# Altium PCB Transmissor Ignitor.PcbDoc
Units mm, origin at the board's own origin, x right, y up, seen from the top; angles counter-clockwise.
Board outline 96.76 x 48.89 mm, 2 copper layers (Top Layer, Bottom Layer); 23 components, 18 nets, 89 pads, 52 vias.
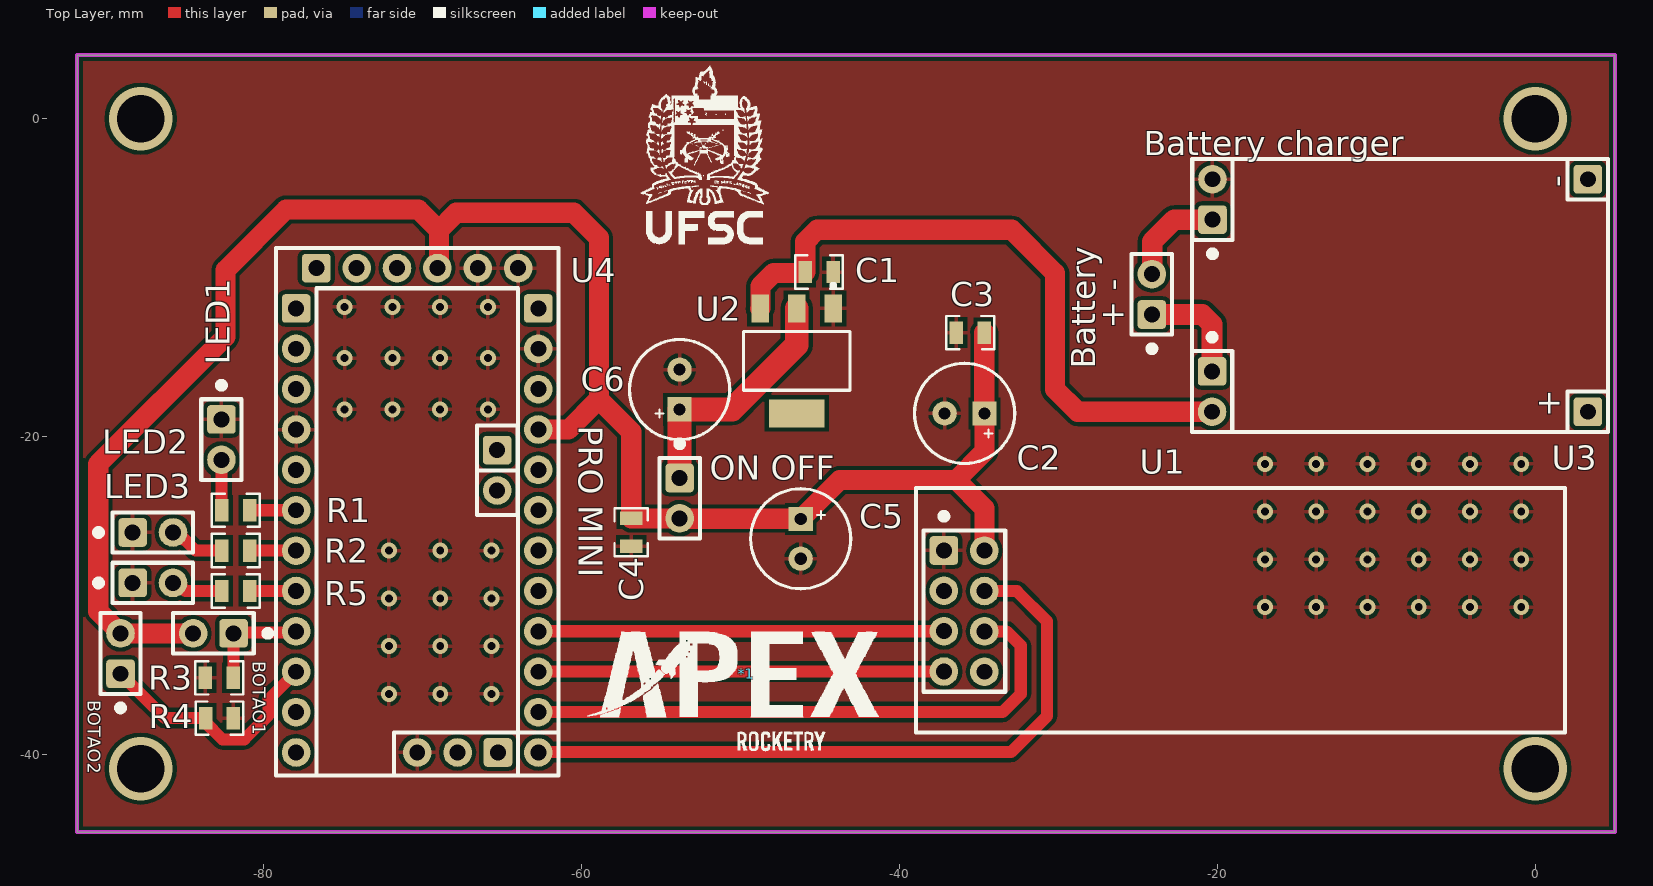
[diagram p0: Top Layer view]
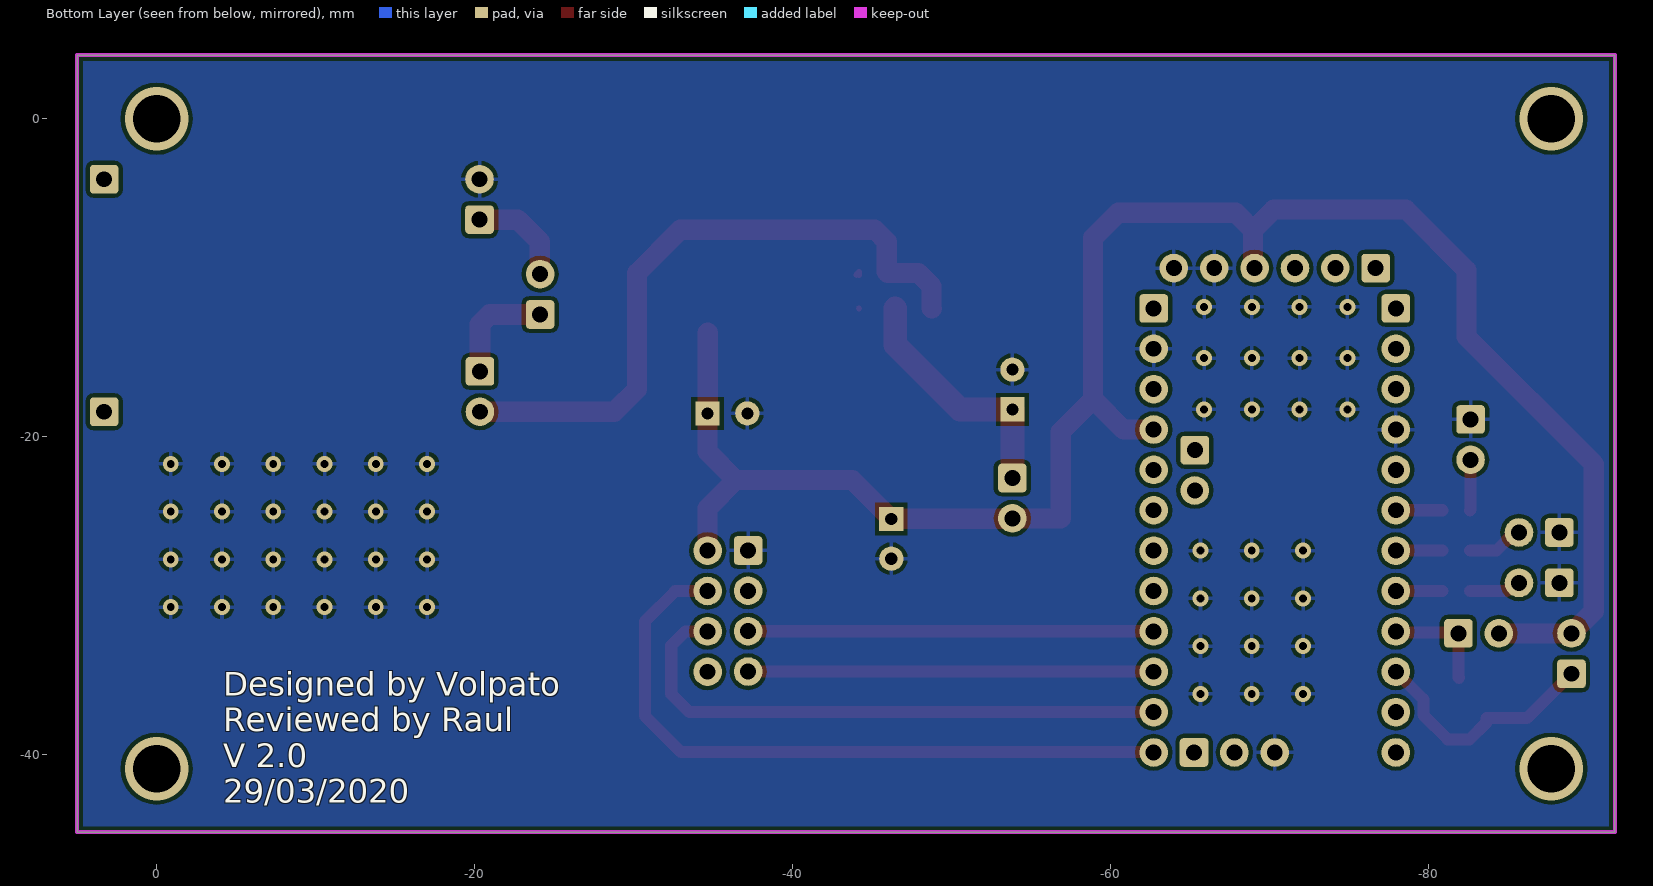
[diagram p1: Bottom Layer view, seen from below]

## Layer stack, top to bottom
Top Solder: solder mask 0.0102, Solder Resist, Dk 3.5
Top Layer: signal copper 0.0356
Dielectric 1: dielectric 0.32, FR-4, Dk 4.8
Bottom Layer: signal copper 0.0356
Bottom Solder: solder mask 0.0102, Solder Resist, Dk 3.5

## Board outline
-91.757,-44.894 5,-44.894 5,4 -91.757,4

## Design rules (kind name [scope] priority, off if disabled: settings)
Clearance [All] p1: gap=0.254 ignorepadtopadclearanceinfootprint=FALSE
PolygonConnect [All] p1: connectstyle=Relief reliefconductorwidth=0.254 reliefentries=4 polygonreliefangle="90 Angle" airgapwidth=0.254
RoutingVias [All] p1: holewidth=0.711 width=1.27 viastyle="Through Hole" minholewidth=0.711 minwidth=1.27 maxholewidth=0.711 maxwidth=1.27
SolderMaskExpansion [All] p1: expansion=0.102 istentingtop=FALSE
Width [All] p1: maxlimit=2.54 minlimit=0.254 preferedwidth=0.762
30 further rules are at their usual default settings.

## Components (designator, comment, footprint, x,y, rotation, side; value= is the part's Value field where it differs from the comment)
*1 "LOGO APEX" "Logo Apex" -49.657,-34.925 r0 top
Battery "HEADER_SOCKET_2" "Pin Header 1x2 TH Pitch 2.54mm" -24.13,-12.319 r90 top (schematic designator Bateria)
BOTAO1 "HEADER_SOCKET_2" "Pin Header 1x2 TH Pitch 2.54mm" -81.915,-32.385 r180 top
BOTAO2 "HEADER_SOCKET_2" "Pin Header 1x2 TH Pitch 2.54mm" -89.027,-34.925 r90 top
C1 "Cap_ceramic" CAP0805R -45.071,-9.652 r180 top value=1nF
C2 "CAP_ELEC" CAPPR250-63X11 -34.671,-18.542 r180 top
C3 "Cap_ceramic" CAP0805R -35.56,-13.462 r0 top value=1nF
C4 "Cap_ceramic" CAP0805R -56.896,-26.021 r90 top value=1nF
C5 "CAP_ELEC" CAPPR250-63X11 -46.228,-25.186 r270 top
C6 "CAP_ELEC" CAPPR250-63X11 -53.848,-18.288 r90 top
LED1 "HEADER_SOCKET_2" "Pin Header 1x2 TH Pitch 2.54mm" -82.677,-18.923 r270 top
LED2 "HEADER_SOCKET_2" "Pin Header 1x2 TH Pitch 2.54mm" -88.265,-26.035 r0 top
LED3 "HEADER_SOCKET_2" "Pin Header 1x2 TH Pitch 2.54mm" -88.265,-29.21 r0 top
"ON OFF" "HEADER_SOCKET_2" "Pin Header 1x2 TH Pitch 2.54mm" -53.848,-22.606 r270 top
R1 "Resistor" RES0805R -81.774,-24.638 r0 top value=1k
R2 "Resistor" RES0805R -81.774,-27.178 r0 top value=1k
R3 "Resistor" RES0805R -82.818,-35.179 r0 top value=1k
R4 "Resistor" RES0805R -82.804,-37.719 r180 top value=1k
R5 "Resistor" RES0805R -81.774,-29.718 r0 top value=1k
U1 "NRF24L01+PA/LNA" NRF24L01 -37.218,-27.166 r270 top
U2 "AMS1117" SOT-223-2 -46.482,-15.24 r180 top
U3 "Battery charger" "Battery charger" 4.572,-2.54 r180 top
U4 "PRO MINI" "Pro mini" -62.738,-39.878 r270 top

## Footprints (in the part's own frame and the unit in brackets; to place one, negate y for a bottom-side part, rotate by r counter-clockwise, add the part's x,y. Pads: shape width x height; smd on the part's side, far side on the other; paste and mask are expansions set on the pad)
"Battery charger" [mm]
  rrect25% 1.8x1.8 hole 1: "BAT +"(24.917,13.36) "BAT -"(24.892,3.81) "IN +"(1.27,15.9) "IN -"(1.27,1.27)
  round 1.8 hole 1: "OUT +"(24.917,15.9) "OUT -"(24.892,1.27)
  silkscreen extent 0,0 26.19,17.17, body extent -0.28,0 26.21,17.23, height 9.5
CAP0805R [mm] "capacitor 0805 reflow soldering"
  rect 0.85x1.4 smd: 1(-0.875,0) 2(0.875,0)
  silkscreen extent -1.5,-1.05 1.5,1.05, body extent -1,-0.63 1,0.63, height 0.78
CAPPR250-63X11 [mil]
  rect 60x60 hole 30: 1(0,0)
  round 60 hole 30: 2(98.43,0)
  silkscreen extent -75,-124 173,124, body extent -76,-125 174,125, height 454
"Logo Apex" [mm]
  silkscreen extent -10.01,-4.89 8.33,2.63
NRF24L01 [mm]
  rrect25% 1.8x1.8 hole 1: 1(0,0)
  round 1.8 hole 1: 2(0.012,2.547) 3(2.54,0) 4(2.552,2.547) 5(5.08,0) 6(5.092,2.547) 7(7.62,0) 8(7.632,2.547)
  silkscreen extent -3.94,-1.75 11.46,39.09, body extent -4.02,-1.78 11.48,149.62, height 14.78
"Pin Header 1x2 TH Pitch 2.54mm" [mm] "PinHeader 1x2 TH Pitch 2.54mm"
  rrect25% 1.8x1.8 hole 1: 1(0,0)
  round 1.8 hole 1: 2(2.54,0)
  silkscreen extent -2.3,-1.27 3.81,1.27, body extent -1.27,-1.27 3.81,1.27, height 9.5
"Pro mini" [mm]
  round 1.8 hole 1: 2(-17.78,-15.24) 3(-15.24,-15.24) 4(-12.7,-15.24) 5(-10.16,-15.24) 6(-7.62,-15.24) 7(-5.08,-15.24) 8(-2.54,-15.24) 9(0,-15.24) 10(0,0) 11(-2.54,0) 12(-5.08,0) 13(-7.62,0) A0(-10.16,0) A1(-12.7,0) A2(-15.24,0) A3(-17.78,0) A6(0,-5.08) GND(-30.48,-3.81) GND(-30.48,-1.27) GND(-25.4,0) GND(-20.32,-15.24) GND(0,-7.62) RST(-22.86,0) RST(-22.86,-15.24) RX(-30.48,-8.89) RX(-25.4,-15.24) SDA(-16.485,-2.591) TX(-30.48,-11.43) VCC(-30.48,-6.35) VCC(-20.32,0)
  rrect25% 1.8x1.8 hole 1: A7(0,-2.54) DTR(-30.48,-13.97) RAW(-27.94,0) SCL(-19.025,-2.591) TX(-27.94,-15.24)
  silkscreen extent -31.75,-16.51 1.45,1.27, body extent -32.54,-16.69 1.46,1.81, height 13.12
RES0805R [mm] "resistor 0805 reflow soldering"
  rect 0.85x1.4 smd: 1(-0.875,0) 2(0.875,0)
  silkscreen extent -1.5,-1.05 1.5,1.05, body extent -1,-0.62 1,0.63, height 0.5
SOT-223-2 [mm] "SOT-223/SC-73; 4 Leads; Body 6.7 x 7.3 mm, inc. leads (LxW max)"
  rect 1.1x1.75 smd: 1(-2.3,-3.3) 2(0,-3.3) 3(2.3,-3.3)
  rect 3.5x1.75 smd: 4(0,3.3)
  silkscreen extent -3.35,-4.85 3.35,1.85, body extent -3.35,-3.7 3.35,3.5, height 1.85

## Part data
Battery BOTAO1 BOTAO2 LED1 LED2 LED3 "ON OFF": "Socket to header connector with 2 pins"
C1 C2 C3 C4 C5 C6: "Capacitor", Publisher="Altium Limited"
  C1 C3 C4: LatestRevisionDate=17-Jul-2002, LatestRevisionNote="Re-released for DXP Platform.", PackageDescription="Radial Cap, Thru-Hole; 2 Leads; 0.3 in Pin Spacing", PackageReference=RAD-0.3, Published=8-Jun-2000
  C2 C5 C6: PackageDescription="Capacitor; 2 Leads", PackageReference=CAPR5-4X5, Published=23-Sep-2002
R1 R2 R3 R4 R5: LatestRevisionDate=17-Jul-2002, LatestRevisionNote="Re-released for DXP Platform.", PackageDescription="Axial Device, Thru-Hole; 2 Leads; 0.3 in Pin Spacing", PackageReference=AXIAL-0.3, Published=8-Jun-2000, Publisher="Altium Limited"

## Via types
v1: diameter 1, hole 0.5, Top Layer to Bottom Layer, 48 vias
v2: diameter 4, hole 3, Top Layer to Bottom Layer, 4 vias

## Nets (pads, with @x,y where several pads share a name; then routed paths per layer and width w, separated by ;. In a path a pad name is that pad's centre, name@x,y a point inside that pad or via, vN(x,y) a via of type N, cw(c..) or ccw(c..) an arc to the next point about the centre after c; other vN are vias at no path point)
3V3: "ON OFF.2" BOTAO1.2 BOTAO2.2 C2.1 C3.2 C4.2 C5.1 U1.2 U4.VCC | length 120.2
  Top Layer w1.27: BOTAO1.2 BOTAO2.2 -90.424,-30.988 -90.424,-21.722 -82.423,-13.721 -82.423,-9.525 -78.613,-5.715 -70.282,-5.715 -68.987,-7.011 ; U4.VCC@-69.088,-9.398 -68.987,-9.297 -68.987,-7.011 ; U4.VCC@-62.738,-19.558 -60.833,-19.558 -58.928,-17.653 ; C3.2 -34.678,-13.469 -34.678,-18.535 C2.1 -34.671,-20.955 -36.449,-22.733 ; U1.2 -34.671,-24.511 -36.449,-22.733 ; -68.987,-7.011 -67.899,-5.923 -60.498,-5.923 -58.928,-7.493 -58.928,-17.653 ; -58.928,-17.653 -56.896,-19.685 C4.2 -53.848,-25.146 -53.828,-25.166 -46.208,-25.166 -43.775,-22.733 -36.449,-22.733
3V8: "U3.OUT +" C1.2 U2.3 | length 41.4
  Top Layer w1.27: U2.3 -48.768,-11.926 -48.768,-10.541 -47.944,-9.717 -46.011,-9.717 C1.2 -45.946,-7.735 -45.202,-6.991 -32.951,-6.991 -30.226,-9.717 -30.226,-17.018 -28.804,-18.44 -20.345,-18.44
botao1: BOTAO1.1 R3.2 U4.6 | length 6.8
  Top Layer w0.762: R3.2 -81.929,-35.165 -81.929,-32.399 BOTAO1.1 -81.852,-32.322 -78.041,-32.322 U4.6
botao2: BOTAO2.1 R4.2 U4.7 | length 15.3
  Top Layer w0.762: BOTAO2.1 -86.233,-37.719 R4.2 -83.679,-37.994 -82.619,-39.054 -81.241,-39.054 -79.709,-37.522 -79.709,-36.529 U4.7
CSN: U1.4 U4.10 | length 43.6
  Top Layer w0.762: U4.10 -62.717,-39.857 -32.999,-39.857 -30.734,-37.592 -30.734,-31.623 -32.628,-29.729 -34.66,-29.729 U1.4
GND: "U3.OUT -" C1.1 C2.2 C3.1 C4.1 C5.2 C6.2 LED1.1 LED2.1 LED3.1 R3.1 R4.1 U1.1 U2.1 U4.GND | length 0.6
  Top Layer w0.381: C1.1 C1.1@-44.189,-9.659 ; U2.1@-44.189,-11.933 U2.1@-44.184,-11.938 ; C1.1@-44.189,-9.819 C1.1@-44.189,-9.659 ; C1.1@-44.029,-9.819 C1.1@-44.189,-9.659
  Top Layer w0.762: U4.GND@-66.548,-9.398 U4.GND@-66.421,-9.525
  other v1: -72.136,-36.195 -68.91,-36.195 -65.684,-36.195 -72.136,-33.189 -68.91,-33.189 -65.684,-33.189 -17.018,-30.734 -13.792,-30.734 -10.566,-30.734 -7.341,-30.734 -4.115,-30.734 -0.889,-30.734 -72.136,-30.184 -68.91,-30.184 -65.684,-30.184 -17.018,-27.728 -13.792,-27.728 -10.566,-27.728 -7.341,-27.728 -4.115,-27.728 -0.889,-27.728 -72.136,-27.178 -68.91,-27.178 -65.684,-27.178 -17.018,-24.723 -13.792,-24.723 -10.566,-24.723 -7.341,-24.723 -4.115,-24.723 -0.889,-24.723 -17.018,-21.717 -13.792,-21.717 -10.566,-21.717 -7.341,-21.717 -4.115,-21.717 -0.889,-21.717 -74.93,-18.288 -71.924,-18.288 -68.919,-18.288 -65.913,-18.288 -74.93,-15.062 -71.924,-15.062 -68.919,-15.062 -65.913,-15.062 -74.93,-11.836 -71.924,-11.836 -68.919,-11.836 -65.913,-11.836
led1: R1.2 U4.3 | length 2.9
  Top Layer w0.762: R1.2 U4.3
led2: R2.2 U4.4 | length 2.9
  Top Layer w0.762: R2.2 U4.4
led3: R5.2 U4.5 | length 2.9
  Top Layer w0.762: R5.2 U4.5
MISO: U1.7 U4.12 | length 25.5
  Top Layer w0.762: U4.12 -62.732,-34.792 -37.224,-34.792 U1.7
MOSI: U1.6 U4.11 | length 36.5
  Top Layer w0.762: U4.11 -33.528,-37.338 -32.385,-36.195 -32.385,-33.147 -33.274,-32.258 U1.6
NetBateria_1: "U3.BAT +" Battery.1 | length 7
  Top Layer w1.3: Battery.1 -20.955,-12.319 -20.345,-12.929 -20.345,-15.9
NetBateria_2: "U3.BAT -" Battery.2 | length 6.4
  Top Layer w1.3: Battery.2 -24.119,-9.768 -24.119,-7.736 -22.733,-6.35 -20.32,-6.35
NetC6_1: "ON OFF.1" C6.1 U2.2 | length 15.7
  Top Layer w1.5: -53.848,-22.606 C6.1 -50.536,-18.288 -46.482,-14.234 U2.2
NetLED1_2: LED1.2 R1.1 | length 3.2
  Top Layer w0.762: LED1.2 -82.663,-21.477 -82.663,-24.624 R1.1
NetLED2_2: LED2.2 R2.1 | length 3.5
  Top Layer w0.762: LED2.2 -85.444,-26.035 -84.301,-27.178 R2.1
NetLED3_2: LED3.2 R5.1 | length 3.3
  Top Layer w0.762: LED3.2 -85.444,-29.21 -84.936,-29.718 R5.1
SCK: U1.5 U4.13 | length 25.5
  Top Layer w0.762: U4.13 -62.732,-32.252 -37.224,-32.252 U1.5
pads on no net: "U3.IN +" "U3.IN -" U1.3 U1.8 U2.4 U4.2 U4.8 U4.9 U4.A0 U4.A1 U4.A2 U4.A3 U4.A6 U4.A7 U4.DTR U4.RAW U4.RST U4.RX U4.SCL U4.SDA U4.TX
copper on no net:
  other v2: -87.757,-40.894 0,-40.894 -87.757,0 0,0

## Polygon pours and split planes (outlines as drawn)
GND on Bottom Layer "GND_L02_P000" (solid, pour order 0): -91.757,4 -91.757,-44.894 5,-44.894 5,4
GND on Top Layer "GND_L01_P001" (solid, pour order 1): -91.757,4.058 5.117,4.058 5.117,-44.894 -91.757,-44.894

## Keep-outs
Keep-Out Layer:
  the board outline again, w0.254

## Silkscreen, mask and mechanical layers (free items; w line width, h text height)
Top Overlay:
  drawing of 94 lines, arcs and shapes, not listed
  text "-" at 2.032,-4.318 h1.52 r90
  text "+ -" at -25.908,-13.208 h1.52 r90
  text "+" at 1.524,-18.796 h1.52 r90
Bottom Overlay:
  text "Designed by Volpato / Reviewed by Raul  / V 2.0 / 29/03/2020" at -4.191,-43.053 h1.5